# KiCad board panel-16.kicad_pcb (continued)
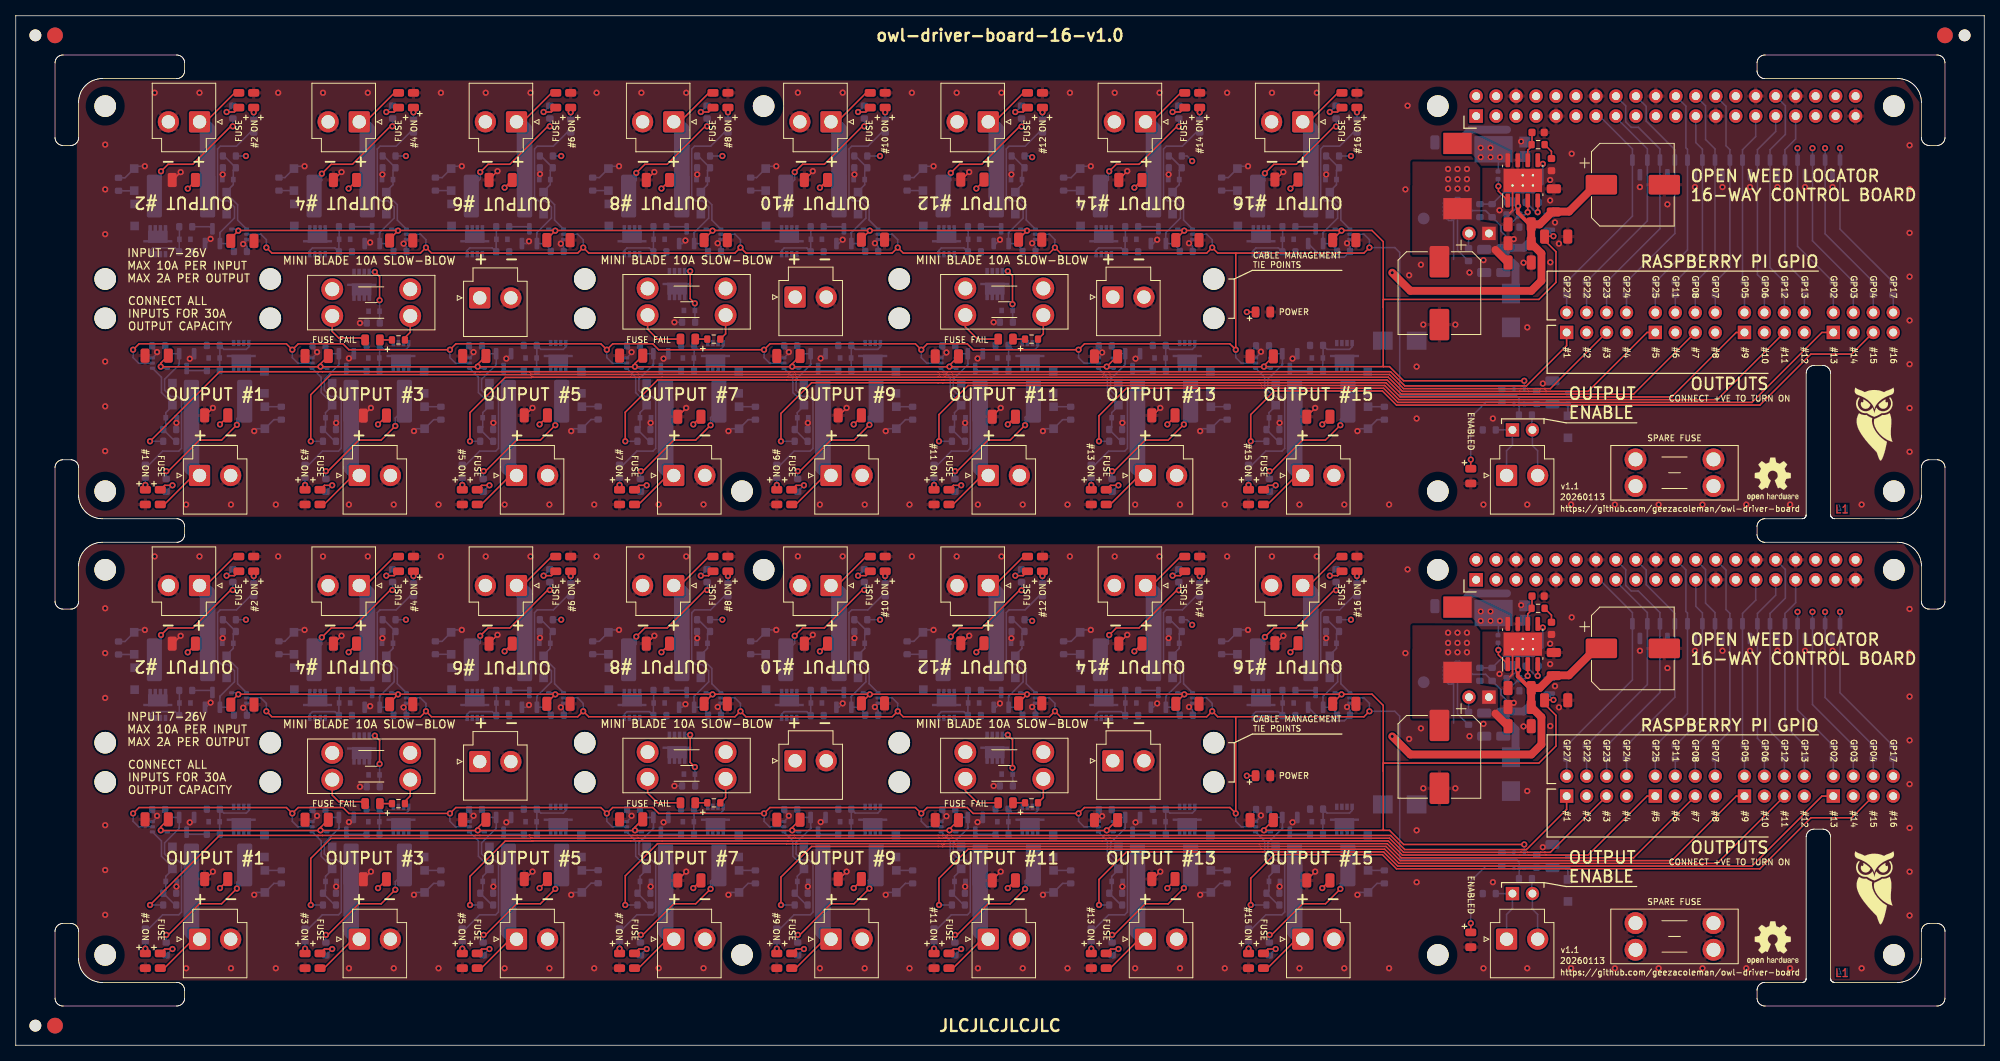
[diagram p0: board, top side]
## Routing (per net, layer and track width the routed paths; a pad name or vN(x,y) marks a point on that pad's centre or on a via; arc(x,y) is an arc through that point) (continued)
Board_1-GND: length 193.6
  Top w0.2: 137.18,28.35 137.18,28.63 137.05,28.75 ; U1.9 190.38,47.25 190.03,46.9 ; 24.1,21.13 v1(25.08,22.1) ; 157.05,28.75 157.18,28.63 157.18,28.35 ; 37.05,28.75 37.18,28.63 37.18,28.35 ; 160.23,51.11 v1(161.23,52.11) ; 16.86,28.35 16.86,28.63 16.74,28.75 ; 104.7,21.13 v1(105.68,22.1) ; 57.05,28.75 57.18,28.63 57.18,28.35 ; 144.6,21.13 v1(145.58,22.1) ; 80.23,51.11 v1(81.23,52.11) ; v1(138.18,29.15) 137.7,29.15 C42#2.2 ; C16.2 101.38,52.18 v1(101.38,52.23) ; 117.05,28.75 117.18,28.63 117.18,28.35 ; 124.28,21.1 v1(125.28,22.1) ; 164.28,21.1 v1(165.28,22.1) ; 140.38,51.23 v1(141.38,52.23) ; C4#2.2 v1(45.18,22.1) ; 97.18,28.35 97.18,28.63 97.05,28.75 ; 77.05,28.75 77.18,28.63 77.18,28.35 ; 120.28,51.11 v1(121.28,52.11) ; 84.28,21.1 v1(85.28,22.1) ; 19.98,51.1 v1(20.98,52.1) ; 40.44,51.11 v1(41.44,52.11) ; 64.75,21.13 v1(65.73,22.1) ; 60.28,51.23 v1(61.28,52.23)
  Bottom w0.2: 63,28.98 v1(62.4,28.37) ; 26.32,51.2 v1(26.32,51.8) 26.32,52.63 ; 24.19,43.01 v1(24.78,43.6) ; v1(30.34,19.15) 30.64,19.45 D10.2 32.84,20.6 R154#2.1 ; D124.2 154.24,51.4 R169.1 ; v1(105.18,43.5) 104.69,43.01 Q20#2.2 ; R155.1 13.9,51.38 D11#2.2 ; v1(16.42,52.85) 15.37,52.85 ; v1(56.74,52.85) 55.69,52.85 ; R83.1 89.7,42.63 v1(89.28,43.05) 89.32,43.05 89.82,43.55 ; U5#2.3 17.98,29.04 v1(17.98,29.2) 17.35,29.83 R11#2.1 ; 169.82,43.55 169.33,43.06 v1(169.33,43.05) 169.33,42.99 169.7,42.62 R139#2.1 168.98,41.27 166.12,41.27 Q32.2 ; 109.82,43.55 109.32,43.05 v1(109.28,43.05) 109.7,42.63 R97.1 ; R167#2.1 134.24,51.4 D110.2 ; 120.68,19.4 120.68,20.13 v1(120.75,20.2) 120.68,20.27 120.68,20.73 ; R14#2.1 37.75,29.78 v1(38.33,29.2) 38.33,29.08 U7#2.3 ; 182.88,46.48 182.88,41 ; 166.68,51.24 v1(166.68,51.8) 166.68,52.63 ; 66.68,51.24 66.68,52.63 ; 20.44,19.38 v1(20.44,20.2) 20.44,20.8 ; 126.64,52.63 v1(126.64,51.8) 126.64,51.2 ; U13#2.3 78.33,29.08 v1(78.33,29.2) 77.75,29.78 R76#2.1 ; R156.1 53.15,20.6 D18#2.2 50.95,19.45 v1(50.65,19.15) ; U19#2.3 138.18,28.93 v1(138.18,29.15) 137.75,29.58 R118.1 ; v1(110.65,19.15) 110.95,19.45 D75.2 113.15,20.6 R162#2.1 ; 149.82,43.55 149.32,43.05 v1(149.23,43.05) 149.27,43.05 149.7,42.62 R125#2.1 ; 40.75,19.38 v1(40.75,20.2) 40.75,20.8 ; v1(36.74,52.85) 35.69,52.85 ; R164#2.1 133.15,20.6 D89#2.2 130.95,19.45 v1(130.65,19.15) ; 143,28.94 v1(142.43,28.36) ; R111#2.1 129.7,42.62 129.28,43.04 v1(129.28,43.05) 129.32,43.05 129.82,43.55 ; R166#2.1 153.15,20.6 D103#2.2 150.95,19.45 v1(150.65,19.15) ; R160#2.1 93.15,20.6 D61.2 90.95,19.45 v1(90.65,19.15) ; R157.1 34.24,51.4 D23.2 ; U3#2.2 182.9,46.2 182.65,45.95 182.25,45.95 181.98,46.23 U3#2.4 ; Q12#2.2 64.99,43.01 v1(65.28,43.3) ; R51.1 57.65,29.78 v1(58.23,29.2) 58.23,28.98 U11#2.3 ; 146.64,52.63 v1(146.64,51.8) 146.64,51.2 ; D68.2 74.24,51.4 R161#2.1 ; R132#2.1 157.75,29.88 v1(158.38,29.25) 158.38,29.13 U21.3 ; R25#2.1 v1(83.78,33) ; 42.97,28.99 v1(42.38,28.4) ; v1(170.65,19.15) 170.95,19.45 D117.2 173.15,20.6 R168#2.1 ; U17#2.3 118.38,29.13 v1(118.38,29.15) 117.85,29.68 R104.1 ; 69.82,43.55 69.33,43.06 v1(69.33,43) 69.7,42.63 R69#2.1 ; R90.1 97.75,29.78 v1(98.33,29.2) 98.33,29.08 U15#2.3 ; 46.64,52.63 v1(46.64,51.8) 46.64,51.2 ; 102.97,28.99 v1(102.38,28.4) ; v1(96.74,52.85) 95.69,52.85 ; 160.75,19.38 v1(160.75,20.2) 160.75,20.8 ; 22.69,28.91 v1(22.14,28.36) ; R158#2.1 73.18,20.63 D28#2.2 70.95,19.45 v1(70.65,19.15) ; R159.1 54.24,51.4 D54#2.2 ; Q24#2.2 124.69,43.01 v1(125.18,43.5) ; 80.75,19.38 v1(80.75,20.2) 80.75,20.8 ; U3#2.8 U3#2.9 182.9,48.6 183.15,48.85 183.63,48.85 185.28,47.2 186.95,47.2 R45.1 188.9,45.25 188.9,44.62 189.95,43.57 v1(190.53,43.57) ; v1(156.74,52.85) 155.69,52.85 ; R8.1 v1(43.78,32.9) ; 163,28.98 v1(162.4,28.37) ; 86.68,51.24 v1(86.68,51.8) 86.68,52.63 ; R163.1 94.24,51.4 D82.2 ; R12.1 29.4,42.63 29.09,42.95 v1(28.93,42.95) 28.93,42.98 29.5,43.55 ; 122.94,28.99 v1(122.34,28.39) ; R27#2.1 v1(124.38,33) ; 60.75,19.38 v1(60.75,20.2) 60.75,20.8 ; v1(85.18,43.4) 84.79,43.01 Q16.2 ; Q28.2 144.69,43.01 v1(145.18,43.5) ; Q14.2 82.41,28.39 82.41,28.38 v1(82.4,28.37) ; 100.75,19.38 v1(100.75,20.2) 100.75,20.8 ; 49.82,43.55 49.33,43.06 v1(49.33,43) 49.33,42.99 49.7,42.62 R19.1 ; 140.75,19.38 v1(140.75,20.2) 140.75,20.8 ; 106.68,52.63 v1(106.68,51.8) 106.68,51.24 ; D96.2 114.24,51.4 R165#2.1 ; v1(76.74,52.85) 75.69,52.85 ; v1(116.74,52.85) 115.69,52.85 ; v1(136.74,52.85) 135.69,52.85
  Bottom w0.5: Q8.2 44.94,43.01 v1(45.08,43.15)
  Bottom w1: 189.68,57.5 185.05,57.5 184.88,57.33 184.88,57.3 C10#2.2
  vias: v1(11.38,55.6) v1(11.38,49.9) v1(11.38,44.2) v1(11.38,28) v1(11.38,22.3) v1(11.38,16.6) v1(17.67,62.2) v1(21.68,9.8) v1(23.37,62.2) v1(27.38,9.8) v1(33.08,9.8) v1(33.38,62.2) v1(39.08,62.2) v1(42.38,9.8) v1(44.78,62.2) v1(48.08,9.8) v1(53.78,9.8) v1(54.08,62.2) v1(59.78,62.2) v1(62.18,9.8) v1(65.48,62.2) v1(66.68,51.85) v1(67.88,9.8) v1(73.58,9.8) v1(73.88,62.2) v1(79.58,62.2) v1(81.78,9.81) v1(85.28,62.2) v1(87.48,9.81) v1(99.48,62.21) v1(102.28,9.8) v1(105.18,62.21) v1(107.98,9.8) v1(113.68,9.8) v1(113.98,62.2) v1(119.68,62.2) v1(122.38,9.8) v1(125.38,62.2) v1(128.08,9.8) v1(133.78,9.8) v1(134.08,62.2) v1(139.78,62.2) v1(142.38,9.8) v1(145.48,62.2) v1(148.08,9.8) v1(153.78,9.8) v1(154.08,62.2) v1(159.78,62.2) v1(163.28,9.8) v1(165.48,62.2) v1(168.98,9.8) v1(174.68,9.8) v1(176.75,49.9) v1(177.03,60.55) v1(177.23,38.98) v1(178.18,27.35) v1(178.18,20.75) v1(178.73,40.33) v1(179.03,32.7) v1(183.1,32.7) v1(184.9,39.33) v1(186.68,40.9) v1(186.68,9.8) v1(187.88,20.75) v1(188.72,47.25) v1(191.48,56) v1(191.78,40.58) v1(192.25,32.35) v1(192.25,9.8) v1(194.23,25.2) v1(195.16,51.1) v1(195.16,48.5) v1(195.18,40.63) v1(195.78,45.7) v1(196.28,43) v1(197.82,9.8) v1(197.9,54.45) v1(203.39,9.8) v1(206.58,50.2) v1(208.96,9.8) v1(210.08,48) v1(213.58,50.2) v1(214.54,9.8) v1(217.08,50.2) v1(220.11,9.8) v1(220.58,50.2) v1(224.08,50.2) v1(225.68,9.8) v1(227.58,50.2) v1(231.08,50.2) v1(234.78,9.8) v1(240.88,55.51) v1(240.88,49.94) v1(240.88,44.37) v1(240.88,38.8) v1(240.88,33.23) v1(240.88,27.66) v1(240.88,22.09) v1(240.88,16.51)
Board_1-MOSFET1: length 190.1
  Top w0.2: v1(17.08,17.85) 25.93,26.7 38.49,26.7 38.49,26.7 39.03,26.7 58.49,26.7 58.49,26.7 59.03,26.7 65.34,26.7 65.34,26.7 65.51,26.7 78.49,26.7 78.49,26.7 79.03,26.7 79.03,26.7 98.49,26.7 98.49,26.7 99.03,26.7 99.03,26.7 117.33,26.7 117.91,26.7 118.49,26.7 118.49,26.7 119.03,26.7 119.03,26.7 138.49,26.7 138.49,26.7 139.03,26.7 139.03,26.7 158.49,26.7 174.87,26.7 176.67,24.9 191.6,24.9 191.6,24.9 192.14,24.9 197.26,30.02 J6#2.1
  Bottom w0.2: v1(17.08,17.85) R9#2.2
Board_1-MOSFET2: length 184
  In1.Cu w0.2: v1(29.28,54.15) 31.28,56.15 152.5,56.15 178.5,30.15 198.25,30.15 J6#2.3
  Bottom w0.2: v1(29.28,54.15) R10.2
Board_1-MOSFET3: length 177.1
  Top w0.2: v1(37.53,17.85) 37.53,23.78 40.07,26.33 65.46,26.33 65.49,26.35 78.34,26.35 78.35,26.35 79.18,26.35 79.18,26.35 98.34,26.35 98.35,26.35 99.18,26.35 99.18,26.35 118.35,26.35 118.35,26.35 119.18,26.35 119.18,26.35 138.35,26.35 138.35,26.35 139.18,26.35 139.18,26.35 174.72,26.35 176.52,24.55 191.45,24.55 191.45,24.55 192.28,24.55 192.29,24.55 193.96,24.55 193.96,24.55 194.5,24.55 194.5,24.55 195.19,24.55 J6#2.5
  Bottom w0.2: v1(37.53,17.85) R13#2.2
Board_1-MOSFET4: length 168.8
  In1.Cu w0.2: v1(49.63,54.15) 51.23,55.75 152.41,55.75 178.36,29.8 202.98,29.8 J6#2.7
  Bottom w0.2: v1(49.63,54.15) R18.2
Board_1-MOSFET5: length 161.4
  Top w0.2: v1(57.78,17.85) 57.78,21.5 62.25,25.97 65.61,25.97 65.63,26 65.8,26 78.2,26 78.2,26 79.32,26 79.32,26 82.23,26 98.2,26 98.2,26 99.32,26 99.32,26 118.2,26 118.2,26 119.32,26 119.32,26 138.2,26 138.2,26 139.32,26 174.58,26 176.37,24.2 191.31,24.2 193.81,24.2 193.81,24.2 194.64,24.2 194.65,24.2 199.99,24.2 207.49,31.7 J25#2.1
  Bottom w0.2: v1(57.78,17.85) R50#2.2
Board_1-MOSFET6: length 155.3
  In1.Cu w0.2: v1(69.38,54.15) 69.38,54.75 70.03,55.4 152.26,55.4 178.21,29.45 208.83,29.45 J25#2.3
  Bottom w0.2: v1(69.38,54.15) R66#2.2
Board_1-MOSFET7: length 147
  Top w0.2: v1(77.53,17.85) 77.53,21.55 81.63,25.65 98.05,25.65 98.06,25.65 99.47,25.65 99.47,25.65 117.76,25.65 118.05,25.65 119.47,25.65 119.47,25.65 158.15,25.65 158.16,25.65 174.43,25.65 176.23,23.85 205.77,23.85 J25#2.5
  Bottom w0.2: v1(77.53,17.85) R73#2.2
Board_1-MOSFET8: length 140
  In1.Cu w0.2: J25#2.7 213.56,29.1 178.07,29.1 152.12,55.05 92.43,55.05 91.53,54.15 v1(89.88,54.15)
  Bottom w0.2: R80.2 v1(89.88,54.15)
Board_1-MOSFET9: length 133.6
  Top w0.2: J27.1 218.83,31.7 210.63,23.5 176.08,23.5 174.28,25.3 158.3,25.3 158.3,25.3 119.61,25.3 119.61,25.3 117.91,25.3 117.91,25.3 117.33,25.3 101.23,25.3 97.33,21.4 v1(97.33,17.85)
  Bottom w0.2: v1(97.33,17.85) R87.2
Board_1-MOSFET10: length 126.3
  In1.Cu w0.2: v1(109.93,54.15) 110.48,54.7 151.97,54.7 177.92,28.75 219.47,28.75 J27.3
  Bottom w0.2: v1(109.93,54.15) R94.2
Board_1-MOSFET11: length 118.4
  Top w0.2: J27.5 216.41,23.15 175.92,23.15 174.12,24.95 158.45,24.95 158.44,24.95 121.13,24.95 117.43,21.25 v1(117.43,17.85)
  Bottom w0.2: v1(117.43,17.85) R101#2.2
Board_1-MOSFET12: length 111.5
  In1.Cu w0.2: J27.7 224.2,28.4 177.78,28.4 151.83,54.35 129.63,54.35 v1(129.28,54)
  Bottom w0.2: v1(129.28,54) 129.13,54.15 R108#2.2
Board_1-MOSFET13: length 103.8
  Top w0.2: v1(137.78,17.85) 137.78,21.1 141.28,24.6 158.59,24.6 158.59,24.6 173.98,24.6 175.78,22.8 220.83,22.8 229.73,31.7 J29#2.1
  Bottom w0.2: v1(137.78,17.85) R115.2
Board_1-MOSFET14: length 97.7
  In1.Cu w0.2: v1(149.63,53.5) 152.18,53.5 177.63,28.05 230.07,28.05 J29#2.3
  Bottom w0.2: R122#2.2 148.98,54.15 v1(149.63,53.5)
Board_1-MOSFET15: length 90.4
  Top w0.2: v1(157.08,17.85) 157.08,21.25 160.08,24.25 173.83,24.25 175.63,22.45 221.83,22.45 228.33,28.95 233.51,28.95 J29#2.5
  Bottom w0.2: v1(157.08,17.85) R129.2
Board_1-MOSFET16: length 86.2
  In1.Cu w0.2: v1(169.83,54.15) 169.83,50.63 182.6,37.85 238.23,37.85 240.08,36 240.08,32.98 J29#2.7
  Bottom w0.2: v1(169.83,54.15) R136.2
Board_1-Net-(C23-Pad1): length 2.1
  Top w0.2: R44.2 195.33,54.73 C23.1
Board_1-Net-(D1-A): length 1.5
  Top w0.2: R1.1 D1.2
Board_1-Net-(D1-K): length 6.3
  Top w0.2: 44.14,30.78 43.92,31 41.08,31 40.26,31.82 F1.2
Board_1-Net-(D4-A): length 2.8
  Top w0.2: D4#2.2 18.95,12.25 v1(19.94,12.25)
  Bottom w0.2: 19.24,11.55 v1(19.94,12.25)
Board_1-Net-(D5-A): length 2.8
  Top w0.2: v1(26.82,59.75) 27.81,59.75 D5#2.2
  Bottom w0.2: 27.52,60.45 v1(26.82,59.75)
Board_1-Net-(D6-A): length 7.4
  Top w0.2: v1(46.28,35.8) 46.28,38.8 v1(45.68,39.4)
  Bottom w0.2: v1(45.68,39.4) 45.67,39.41 Q1.1 ; v1(46.28,35.8) D6#2.2 46.28,32.93
Board_1-Net-(D12-A): length 11.2
  Bottom w0.2: 20.26,17.85 R53.2 19.09,19.68 D45.1 19.09,21.5 19.94,22.35 ; U5#2.1 18.54,26 18.54,24.05 19.94,22.65
Board_1-Net-(D13-A): length 11.2
  Bottom w0.2: 26.5,54.15 R54.2 27.67,52.33 D46#2.1 27.67,50.5 26.82,49.65 ; 26.82,49.35 28.22,47.95 28.22,46 U6#2.1
Board_1-Net-(D14-A): length 11.2
  Bottom w0.2: 40.58,17.85 R56#2.2 39.4,19.68 D47#2.1 39.4,21.5 40.25,22.35 ; 40.25,22.65 38.85,24.05 38.85,26 U7#2.1
Board_1-Net-(D19-A): length 2.8
  Top w0.2: v1(40.25,12.25) 39.26,12.25 D19#2.2
  Bottom w0.2: 39.55,11.55 v1(40.25,12.25)
Board_1-Net-(D20-A): length 11.2
  Bottom w0.2: 47.14,49.35 48.54,47.95 48.54,46 U10.1 ; 46.81,54.15 R57.2 47.99,52.33 D48.1 47.99,50.5 47.14,49.65
Board_1-Net-(D24-A): length 2.8
  Top w0.2: v1(47.14,59.75) 48.12,59.75 D24.2
  Bottom w0.2: 47.84,60.45 v1(47.14,59.75)
Board_1-Net-(D25-A): length 11.2
  Bottom w0.2: 60.25,22.65 58.85,24.05 58.85,26 U11#2.1 ; 60.58,17.85 R62#2.2 59.4,19.68 D49#2.1 59.4,21.5 60.25,22.35
Board_1-Net-(D29-A): length 0.9
  Bottom w0.2: 16.49,13.23 v1(16.49,12.3)
Board_1-Net-(D30-A): length 0.9
  Bottom w0.2: R59.1 v1(30.27,59.7)
Board_1-Net-(D31-A): length 0.9
  Bottom w0.2: 36.8,13.23 v1(36.8,12.3)
Board_1-Net-(D32-A): length 1.5
  Top w0.2: R24#2.1 D32.2
Board_1-Net-(D32-K): length 6.5
  Top w0.2: F18#2.2 80.37,32.11 81.63,30.85 D32.1
Board_1-Net-(D33-A): length 7.4
  Top w0.2: v1(86.38,35.4) 85.78,36 v1(85.78,39.5)
  Bottom w0.2: v1(86.38,35.4) 86.38,34.51 ; Q34#2.1 85.77,39.51 v1(85.78,39.5) ; D33.2 86.39,33.03
Board_1-Net-(D37-A): length 0.9
  Bottom w0.2: R61#2.1 v1(50.59,59.7)
Board_1-Net-(D38-A): length 2.3
  Top w0.2: v1(156.58,34.3) D38#2.2
  Bottom w0.2: v1(156.58,34.3) R23#2.1
Board_1-Net-(D41-A): length 11.3
  Top w0.2: D41.2 v1(185.07,15.53)
  Bottom w0.2: v1(185.07,15.53) 185.07,20.9 186.99,22.83 189.02,22.83
Board_1-Net-(D42-A): length 0.9
  Bottom w0.2: 56.8,13.23 v1(56.8,12.3)
Board_1-Net-(D43-A): length 2.8
  Top w0.2: D43.2 59.26,12.25 v1(60.25,12.25)
  Bottom w0.2: 59.55,11.55 v1(60.25,12.25)
Board_1-Net-(D44-A): length 11.2
  Bottom w0.2: 67.14,49.35 68.54,47.95 68.54,46 U12#2.1 ; 66.81,54.15 R67#2.2 67.99,52.33 D50#2.1 67.99,50.5 67.14,49.65
Board_1-Net-(D51-A): length 0.9
  Bottom w0.2: R68.1 v1(70.59,59.7)
Board_1-Net-(D55-A): length 2.8
  Top w0.2: v1(67.14,59.75) 68.12,59.75 D55.2
  Bottom w0.2: 67.84,60.45 v1(67.14,59.75)
Board_1-Net-(D56-A): length 11.2
  Bottom w0.2: 80.25,22.65 78.85,24.05 78.85,26 U13#2.1 ; 80.25,22.35 79.4,21.5 D57.1 79.4,19.68 R74#2.2 80.58,17.85
Board_1-Net-(D58-A): length 0.9
  Bottom w0.2: 76.8,13.23 v1(76.8,12.3)
Board_1-Net-(D62-A): length 2.8
  Top w0.2: v1(80.25,12.25) 79.26,12.25 D62.2
  Bottom w0.2: 79.55,11.55 v1(80.25,12.25)
Board_1-Net-(D63-A): length 11.2
  Bottom w0.2: 86.81,54.15 R81.2 87.99,52.33 D64.1 87.99,50.5 87.14,49.65 ; U14#2.1 88.54,46 88.54,47.95 87.14,49.35
Board_1-Net-(D65-A): length 0.9
  Bottom w0.2: R82#2.1 v1(90.59,59.7)
Board_1-Net-(D69-A): length 2.8
  Top w0.2: v1(87.14,59.75) 88.12,59.75 D69#2.2
  Bottom w0.2: 87.84,60.45 v1(87.14,59.75)
Board_1-Net-(D70-A): length 11.2
  Bottom w0.2: U15#2.1 98.85,26 98.85,24.05 100.25,22.65 ; 100.25,22.35 99.4,21.5 D71.1 99.4,19.68 R88#2.2 100.58,17.85
Board_1-Net-(D72-A): length 0.9
  Bottom w0.2: 96.8,13.23 v1(96.8,12.3)
Board_1-Net-(D76-A): length 2.8
  Top w0.2: D76.2 99.26,12.25 v1(100.25,12.25)
  Bottom w0.2: 99.55,11.55 v1(100.25,12.25)
Board_1-Net-(D77-A): length 11.2
  Bottom w0.2: 107.14,49.35 108.54,47.95 108.54,46 U16#2.1 ; 107.14,49.65 107.99,50.5 D78#2.1 107.99,52.33 R95.2 106.81,54.15
Board_1-Net-(D79-A): length 0.9
  Bottom w0.2: R96#2.1 v1(110.59,59.7)
Board_1-Net-(D83-A): length 2.8
  Top w0.2: D83.2 108.12,59.75 v1(107.14,59.75)
  Bottom w0.2: 107.84,60.45 v1(107.14,59.75)
Board_1-Net-(D84-A): length 11.2
  Bottom w0.2: 120.25,22.65 118.85,24.05 118.85,26 U17#2.1 ; 120.58,17.85 R102#2.2 119.4,19.68 D85#2.1 119.4,21.5 120.25,22.35
Board_1-Net-(D86-A): length 0.9
  Bottom w0.2: 116.8,13.23 v1(116.8,12.3)
Board_1-Net-(D90-A): length 2.8
  Top w0.2: v1(120.25,12.25) 119.26,12.25 D90.2
  Bottom w0.2: 119.55,11.55 v1(120.25,12.25)
Board_1-Net-(D91-A): length 11.2
  Bottom w0.2: U18.1 128.54,46 128.54,47.95 127.14,49.35 ; 126.81,54.15 R109.2 127.99,52.33 D92#2.1 127.99,50.5 127.14,49.65
Board_1-Net-(D93-A): length 0.9
  Bottom w0.2: R110#2.1 v1(130.59,59.7)
Board_1-Net-(D97-A): length 2.8
  Top w0.2: D97.2 128.12,59.75 v1(127.14,59.75)
  Bottom w0.2: 127.84,60.45 v1(127.14,59.75)
Board_1-Net-(D98-A): length 11.2
  Bottom w0.2: 140.25,22.35 139.4,21.5 D99.1 139.4,19.68 R116#2.2 140.58,17.85 ; 140.25,22.65 138.85,24.05 138.85,26 U19#2.1
Board_1-Net-(D100-A): length 0.9
  Bottom w0.2: 136.8,13.23 v1(136.8,12.3)
Board_1-Net-(D104-A): length 2.8
  Top w0.2: D104.2 139.26,12.25 v1(140.25,12.25)
  Bottom w0.2: 139.55,11.55 v1(140.25,12.25)
Board_1-Net-(D105-A): length 11.2
  Bottom w0.2: U20#2.1 148.54,46 148.54,47.95 147.14,49.35 ; 147.14,49.65 147.99,50.5 D106.1 147.99,52.33 R123.2 146.81,54.15
Board_1-Net-(D107-A): length 0.9
  Bottom w0.2: R124#2.1 v1(150.59,59.7)
Board_1-Net-(D111-A): length 2.8
  Top w0.2: v1(147.14,59.75) 148.12,59.75 D111.2
  Bottom w0.2: 147.84,60.45 v1(147.14,59.75)
Board_1-Net-(D112-A): length 11.2
  Bottom w0.2: 160.25,22.35 159.4,21.5 D113.1 159.4,19.68 R130.2 160.58,17.85 ; 160.25,22.65 158.85,24.05 158.85,26 U21.1
Board_1-Net-(D114-A): length 0.9
  Bottom w0.2: 156.8,13.23 v1(156.8,12.3)
Board_1-Net-(D118-A): length 2.8
  Top w0.2: D118#2.2 159.26,12.25 v1(160.25,12.25)
  Bottom w0.2: 159.55,11.55 v1(160.25,12.25)
Board_1-Net-(D119-A): length 11.2
  Bottom w0.2: 167.14,49.35 168.54,47.95 168.54,46 U22#2.1 ; 167.14,49.65 167.99,50.5 D120#2.1 167.99,52.33 R137.2 166.81,54.15
Board_1-Net-(D121-A): length 0.9
  Bottom w0.2: R138#2.1 v1(170.59,59.7)
Board_1-Net-(D125-A): length 2.8
  Top w0.2: v1(167.14,59.75) 168.12,59.75 D125#2.2
  Bottom w0.2: 167.84,60.45 v1(167.14,59.75)
Board_1-Net-(D132-A): length 1.5
  Top w0.2: R26#2.1 D132.2
Board_1-Net-(D132-K): length 6.3
  Top w0.2: D132.1 122.33,30.85 120.78,32.4 F19#2.2
Board_1-Net-(D133-A): length 7.4
  Top w0.2: v1(126.18,39.5) 126.78,38.9 v1(126.78,35.3)
  Bottom w0.2: D133#2.2 126.8,33.03 ; v1(126.18,39.5) 126.17,39.51 Q35.1 ; v1(126.78,35.3) 126.78,34.52
Board_1-Net-(J2-CE0): length 25.7
  Bottom w0.2: J2#2.24 214.93,60.53 214.93,56.25 216.13,55.05 D127#2.1 216.13,40.6 R33#2.1
Board_1-Net-(J2-CE1): length 25.2
  Bottom w0.2: R32#2.1 218.03,40 D127#2.2 218.03,54.95 217.53,55.45 217.53,60.47 J2#2.26
Board_1-Net-(J2-GP5): length 21.6
  Bottom w0.2: 219.63,38.36 D131#2.1 219.63,54.95 221.31,56.63 J2#2.29
Board_1-Net-(J2-GP6): length 22.5
  Bottom w0.2: J2#2.31 223.85,57.27 221.53,54.95 D131#2.2 221.53,39.06 R145.1
Board_1-Net-(J2-GP12): length 25.7
  Bottom w0.2: R144.1 223.13,39.96 D130.1 223.13,54.95 225.08,56.9 225.08,60.54 J2#2.32
Board_1-Net-(J2-GP13): length 22.7
  Bottom w0.2: R143#2.1 225.03,40.66 D130.2 225.03,54.95 226.39,56.31 J2#2.33
Board_1-Net-(J2-GP22): length 25.8
  Bottom w0.2: R29#2.1 207.53,45.9 D34.2 207.53,55.05 203.53,59.05
Board_1-Net-(J2-GP23): length 29.3
  Bottom w0.2: J2#2.16 204.78,60.52 204.78,58.5 205.48,57.8 206.38,57.8 209.13,55.05 D35.1 209.13,44.9 R30#2.1
Board_1-Net-(J2-GP24): length 28.3
  Bottom w0.2: J2#2.18 207.38,60.46 207.38,58.6 211.03,54.95 D35.2 211.03,44.3 R31#2.1
Board_1-Net-(J2-GP25): length 25.9
  Bottom w0.2: J2#2.22 212.43,60.49 212.43,55.2 212.63,55 D126.1 212.63,42.2 R39.1
Board_1-Net-(J2-GP27): length 26.3
  Bottom w0.2: 201.45,59.23 205.63,55.05 D34.1 205.63,46.5 R38.1
Board_1-Net-(J2-SCLK): length 22.9
  Bottom w0.2: R34.1 214.53,41.6 D126.2 214.53,55.02 213.69,55.86 J2#2.23
Board_1-Net-(J3-Pin_1): length 3
  Top w0.2: F1.1 50.18,31.73 49.5,31.05
Board_1-Net-(J10-Pin_1): length 8.2
  Bottom w0.2: J10.1 189.62,16.65 190.37,17.4 J11#2.1 R48.2
Board_1-Net-(J10-Pin_2): length 7.9
  Bottom w0.2: J11#2.2 192.91,17.31 193.57,16.65 193.57,13.51 ; R49.1 192.84,19.37
Board_1-Net-(J24-Pin_1): length 3.3
  Top w0.2: F18#2.1 90.29,31.53 R24#2.2
Board_1-Net-(J26-Pin_1): length 3.3
  Top w0.2: R26#2.2 130.7,31.53 F19#2.1
Board_1-Net-(Q4-D): length 2.7
  Bottom w0.2: Q4.3 22,26.85 R6.1
Board_1-Net-(Q4-G): length 22.7
  Bottom w0.2: 19,29.81 19.82,28.99 ; 19.82,28.99 U5#2.4 ; 19.82,28.99 Q4.1 ; 16.51,14.85 16.94,14.85 18.69,16.6 20.74,16.6 21.09,16.95 21.09,23.05 20.59,23.55 19.74,23.55 18.94,24.35 18.94,25.75 20.8,27.61 20.8,27.75 ; 20.8,28.98 20.8,27.75 ; 20.8,27.75 20.8,27.59
Board_1-Net-(Q5-D): length 2.7
  Bottom w0.2: Q5.3 24.76,45.15 R7.1
Board_1-Net-(Q5-G): length 22.7
  Bottom w0.2: 30.25,57.15 29.82,57.15 28.07,55.4 26.02,55.4 25.67,55.05 25.67,48.95 26.17,48.45 27.02,48.45 27.82,47.65 27.82,46.25 25.96,44.39 25.96,44.25 ; 25.96,44.25 25.96,44.41 ; 25.96,44.25 25.96,43.02 ; 27.75,42.19 26.93,43.01 ; 26.93,43.01 U6#2.4 ; 26.93,43.01 Q5.1
Board_1-Net-(Q6-D): length 2.7
  Bottom w0.2: Q6#2.3 42.31,26.85 R16.1
Board_1-Net-(Q6-G): length 22.6
  Bottom w0.2: U7#2.4 40.14,28.99 ; 40.14,28.99 Q6#2.1 ; 40.14,28.99 39.4,29.72 ; 36.83,14.85 37.25,14.85 39,16.6 41.05,16.6 41.4,16.95 41.4,23.05 40.9,23.55 40.05,23.55 39.25,24.35 39.25,25.75 41.11,27.61 41.11,27.75 ; 41.11,27.75 41.11,27.59 ; 41.11,27.75 41.11,28.98
Board_1-Net-(Q8-D): length 2.7
  Bottom w0.2: R21#2.1 45.07,45.15 Q8.3
Board_1-Net-(Q8-G): length 22.7
  Bottom w0.2: U10.4 47.25,43.01 ; 47.25,43.01 Q8.1 ; 47.25,43.01 48.05,42.21 ; 46.27,44.25 46.27,44.41 ; 46.27,44.25 46.27,44.39 48.14,46.25 48.14,47.65 47.34,48.45 46.49,48.45 45.99,48.95 45.99,55.05 46.34,55.4 48.39,55.4 50.14,57.15 50.56,57.15 ; 46.27,44.25 46.27,43.02
Board_1-Net-(Q10-D): length 2.7
  Bottom w0.2: R64.1 62.31,26.85 Q10.3
Board_1-Net-(Q10-G): length 22.7
  Bottom w0.2: 59.3,29.82 60.14,28.99 ; 60.14,28.99 U11#2.4 ; 60.14,28.99 Q10.1 ; 61.11,27.75 61.11,27.61 59.25,25.75 59.25,24.35 60.05,23.55 60.9,23.55 61.4,23.05 61.4,16.95 61.05,16.6 59,16.6 57.25,14.85 56.83,14.85 ; 61.11,27.75 61.11,28.98 ; 61.11,27.75 61.11,27.59
Board_1-Net-(Q12-D): length 2.7
  Bottom w0.2: Q12#2.3 65.07,45.15 R71.1
Board_1-Net-(Q12-G): length 22.7
  Bottom w0.2: 66.27,44.25 66.27,44.41 ; 66.27,44.25 66.27,44.39 68.14,46.25 68.14,47.65 67.34,48.45 66.49,48.45 65.99,48.95 65.99,55.05 66.34,55.4 68.39,55.4 70.14,57.15 70.56,57.15 ; 66.27,44.25 66.27,43.02 ; 67.25,43.01 Q12#2.1 ; 67.25,43.01 68.05,42.21 ; 67.25,43.01 U12#2.4
Board_1-Net-(Q14-D): length 2.7
  Bottom w0.2: R78.1 82.31,26.85 Q14.3
Board_1-Net-(Q14-G): length 22.6
  Bottom w0.2: 79.4,29.72 80.14,28.99 ; 80.14,28.99 U13#2.4 ; 80.14,28.99 Q14.1 ; 76.83,14.85 77.25,14.85 79,16.6 81.05,16.6 81.4,16.95 81.4,23.05 80.9,23.55 80.05,23.55 79.25,24.35 79.25,25.75 81.11,27.61 81.11,27.75 ; 81.11,27.75 81.11,28.98 ; 81.11,27.75 81.11,27.59
Board_1-Net-(Q16-D): length 2.7
  Bottom w0.2: Q16.3 85.07,45.15 R85#2.1
Board_1-Net-(Q16-G): length 22.7
  Bottom w0.2: 86.27,43.02 86.27,44.25 ; 86.27,44.25 86.27,44.39 88.14,46.25 88.14,47.65 87.34,48.45 86.49,48.45 85.99,48.95 85.99,55.05 86.34,55.4 88.39,55.4 90.14,57.15 90.56,57.15 ; 86.27,44.25 86.27,44.41 ; U14#2.4 87.25,43.01 ; 87.25,43.01 Q16.1 ; 87.25,43.01 88.05,42.21
Board_1-Net-(Q18-D): length 2.7
  Bottom w0.2: R92#2.1 102.31,26.85 Q18#2.3
Board_1-Net-(Q18-G): length 22.6
  Bottom w0.2: 99.4,29.72 100.14,28.99 ; 100.14,28.99 Q18#2.1 ; 100.14,28.99 U15#2.4 ; 101.11,28.98 101.11,27.75 ; 101.11,27.75 101.11,27.61 99.25,25.75 99.25,24.35 100.05,23.55 100.9,23.55 101.4,23.05 101.4,16.95 101.05,16.6 99,16.6 97.25,14.85 96.83,14.85 ; 101.11,27.75 101.11,27.59
Board_1-Net-(Q20-D): length 2.7
  Bottom w0.2: Q20#2.3 105.07,45.15 R99.1
Board_1-Net-(Q20-G): length 22.7
  Bottom w0.2: U16#2.4 107.25,43.01 ; 107.25,43.01 108.05,42.21 ; 107.25,43.01 Q20#2.1 ; 106.27,44.25 106.27,44.41 ; 106.27,44.25 106.27,44.39 108.14,46.25 108.14,47.65 107.34,48.45 106.49,48.45 105.99,48.95 105.99,55.05 106.34,55.4 108.39,55.4 110.14,57.15 110.56,57.15 ; 106.27,44.25 106.27,43.02
Board_1-Net-(Q22-D): length 2.7
  Bottom w0.2: R106.1 122.31,26.85 Q22.3
Board_1-Net-(Q22-G): length 22.8
  Bottom w0.2: 116.83,14.85 117.25,14.85 119,16.6 121.05,16.6 121.4,16.95 121.4,23.05 120.9,23.55 120.05,23.55 119.25,24.35 119.25,25.75 121.11,27.61 121.11,27.75 ; 120.14,28.99 Q22.1 ; 120.14,28.99 119.5,29.62 R104.2 ; 120.14,28.99 U17#2.4 ; 121.11,27.75 121.11,28.98 ; 121.11,27.75 121.11,27.59
Board_1-Net-(Q24-D): length 2.7
  Bottom w0.2: Q24#2.3 125.07,45.15 R113.1
Board_1-Net-(Q24-G): length 22.7
  Bottom w0.2: 126.27,43.02 126.27,44.25 ; 126.27,44.25 126.27,44.41 ; 126.27,44.25 126.27,44.39 128.14,46.25 128.14,47.65 127.34,48.45 126.49,48.45 125.99,48.95 125.99,55.05 126.34,55.4 128.39,55.4 130.14,57.15 130.56,57.15 ; 127.25,43.01 Q24#2.1 ; 127.25,43.01 128.05,42.21 ; 127.25,43.01 U18.4
Board_1-Net-(Q26-D): length 2.7
  Bottom w0.2: Q26.3 142.31,26.85 R120.1
Board_1-Net-(Q26-G): length 22.6
  Bottom w0.2: 136.83,14.85 137.25,14.85 139,16.6 141.05,16.6 141.4,16.95 141.4,23.05 140.9,23.55 140.05,23.55 139.25,24.35 139.25,25.75 141.11,27.61 141.11,27.75 ; 141.11,27.75 141.11,27.59 ; 141.11,27.75 141.11,28.98 ; 140.14,28.99 Q26.1 ; 140.14,28.99 U19#2.4 ; 140.14,28.99 139.4,29.72
Board_1-Net-(Q28-D): length 2.7
  Bottom w0.2: R127#2.1 145.07,45.15 Q28.3
Board_1-Net-(Q28-G): length 22.7
  Bottom w0.2: 146.27,43.02 146.27,44.25 ; 146.27,44.25 146.27,44.39 148.14,46.25 148.14,47.65 147.34,48.45 146.49,48.45 145.99,48.95 145.99,55.05 146.34,55.4 148.39,55.4 150.14,57.15 150.56,57.15 ; 146.27,44.25 146.27,44.41 ; 147.25,43.01 Q28.1 ; 147.25,43.01 U20#2.4 ; 147.25,43.01 148.05,42.21
Board_1-Net-(Q30-D): length 2.7
  Bottom w0.2: R134.1 162.31,26.85 Q30.3
Board_1-Net-(Q30-G): length 22.6
  Bottom w0.2: 159.4,29.72 160.14,28.99 ; 160.14,28.99 Q30.1 ; 160.14,28.99 U21.4 ; 161.11,28.98 161.11,27.75 ; 161.11,27.75 161.11,27.61 159.25,25.75 159.25,24.35 160.05,23.55 160.9,23.55 161.4,23.05 161.4,16.95 161.05,16.6 159,16.6 157.25,14.85 156.83,14.85 ; 161.11,27.75 161.11,27.59
Board_1-Net-(Q32-D): length 2.7
  Bottom w0.2: Q32.3 165.07,45.15 R141.1
Board_1-Net-(Q32-G): length 22.7
  Bottom w0.2: 166.27,44.25 166.27,44.41 ; 166.27,44.25 166.27,44.39 168.14,46.25 168.14,47.65 167.34,48.45 166.49,48.45 165.99,48.95 165.99,55.05 166.34,55.4 168.39,55.4 170.14,57.15 170.56,57.15 ; 166.27,44.25 166.27,43.02 ; 168.05,42.21 167.25,43.01 ; 167.25,43.01 Q32.1 ; 167.25,43.01 U22#2.4
Board_1-Net-(R55-Pad2): length 1.5
  Bottom w0.2: U8.4 189.04,24.5
Board_1-Net-(U3-EN): length 6.3
  Bottom w0.2: 184.78,40.78 183.38,42.18 U3#2.1
Board_1-PI1: length 2.2
  Bottom w0.2: J6#2.2 R38.2
Board_1-PI2: length 2.2
  Bottom w0.2: J6#2.4 199.8,36.44
Board_1-PI3: length 2.2
  Bottom w0.2: J6#2.6 202.34,36.46
Board_1-PI4: length 2.2
  Bottom w0.2: J6#2.8 204.88,36.46
Board_1-PI5: length 2.2
  Bottom w0.2: J25#2.2 208.54,36.46
Board_1-PI6: length 2.2
  Bottom w0.2: J25#2.4 211.08,36.46
Board_1-PI7: length 2.2
  Bottom w0.2: J25#2.6 213.62,36.44
Board_1-PI8: length 2.2
  Bottom w0.2: J25#2.8 R32#2.2
Board_1-PI9: length 2.2
  Bottom w0.2: J27.2 219.88,36.46
Board_1-PI10: length 2.2
  Bottom w0.2: J27.4 222.42,36.44
Board_1-PI11: length 2.2
  Bottom w0.2: J27.6 R144.2
Board_1-PI12: length 2.2
  Bottom w0.2: J27.8 227.5,36.42
Board_1-PI13: length 2.2
  Bottom w0.2: J29#2.2 231.18,36.46
Board_1-PI14: length 2.2
  Bottom w0.2: J29#2.4 233.72,36.44
Board_1-PI15: length 2.2
  Bottom w0.2: J29#2.6 R36.2
Board_1-PI16: length 2.2
  Bottom w0.2: J29#2.8 238.8,36.44
Board_1-VCC: length 67.9
  Top w0.2: 123.15,50.99 v1(122.18,50.01) ; 107.58,21 v1(106.58,20) ; C1#2.1 v1(166.18,20) ; C11#2.1 v1(62.18,50.13) ; 22.85,50.98 v1(21.88,50) ; 147.48,21 v1(146.48,20) ; 83.1,50.99 v1(82.13,50.01) ; v1(102.28,50.13) C16.1 ; 26.98,21 v1(25.98,20) ; 43.32,50.99 v1(42.34,50.01) ; C12.1 v1(142.28,50.13) ; C3.1 v1(126.18,20) ; 163.1,50.99 v1(162.13,50.01) ; 67.63,21 v1(66.63,20) ; 47.08,21 v1(46.08,20) ; C15.1 v1(86.18,20)
  Top w0.5: C6#2.1 192.55,45.45 191.04,46.96 U1.2
  Top w1: 195.5,47.03 195.4,47.03 193.83,45.45 C6#2.1 C18.1 194.05,41.75 194.05,38.28 192.78,37 177.38,37 v1(175.08,39.3) ; C8#2.1 200.98,50.5 197.55,47.08 195.58,47.08 C5#2.1
  Bottom w0.2: v1(191.09,47.77) 189.96,46.65 R41#2.2
  Bottom w0.5: 190.58,48.28 v1(191.09,47.77)

## Copper pours and planes (outline as drawn; the poured copper is in the pictures)
Board_0-+5V on Top, Bottom: 186.28,111.7 186.28,104.85 188.49,104.49 188.54,100.57 177.61,100.57 177.61,109.45 177.65,109.45 177.63,112.45 186.56,112.42
Board_0-/Output chain 1/DRAIN on Bottom: 32.36,83.22 32.36,80.62 29.97,79.22 28.06,79.22 28.06,84.62 27.24,85.42 27.24,87.92 29.96,87.92 30.54,84.75
Board_0-/Output chain 2/DRAIN on Bottom: 14.39,106.78 14.39,109.38 16.79,110.78 18.69,110.78 18.69,105.38 19.52,104.58 19.52,102.08 16.79,102.08 16.22,105.25
Board_0-/Output chain 3/DRAIN on Bottom: 52.68,83.22 52.68,80.62 50.29,79.22 48.38,79.22 48.38,84.62 47.55,85.42 47.55,87.92 50.28,87.92 50.85,84.75
Board_0-/Output chain 4/DRAIN on Bottom: 34.71,106.78 34.71,109.38 37.1,110.78 39.01,110.78 39.01,105.38 39.84,104.58 39.84,102.08 37.11,102.08 36.54,105.25
Board_0-/Output chain 5/DRAIN on Bottom: 72.68,83.22 72.68,80.62 70.29,79.22 68.38,79.22 68.38,84.62 67.55,85.42 67.55,87.92 70.28,87.92 70.85,84.75
Board_0-/Output chain 6/DRAIN on Bottom: 54.71,106.78 54.71,109.38 57.1,110.78 59.01,110.78 59.01,105.38 59.84,104.58 59.84,102.08 57.11,102.08 56.54,105.25
Board_0-/Output chain 7/DRAIN on Bottom: 92.68,83.22 92.68,80.62 90.29,79.22 88.38,79.22 88.38,84.62 87.55,85.42 87.55,87.92 90.28,87.92 90.85,84.75
Board_0-/Output chain 8/DRAIN on Bottom: 74.71,106.78 74.71,109.38 77.1,110.78 79.01,110.78 79.01,105.38 79.84,104.58 79.84,102.08 77.11,102.08 76.54,105.25
Board_0-/Output chain 9/DRAIN on Bottom: 112.68,83.22 112.68,80.62 110.29,79.22 108.38,79.22 108.38,84.62 107.55,85.42 107.55,87.92 110.28,87.92 110.85,84.75
Board_0-/Output chain 10/DRAIN on Bottom: 94.71,106.78 94.71,109.38 97.1,110.78 99.01,110.78 99.01,105.38 99.84,104.58 99.84,102.08 97.11,102.08 96.54,105.25
Board_0-/Output chain 11/DRAIN on Bottom: 132.68,83.22 132.68,80.62 130.29,79.22 128.38,79.22 128.38,84.62 127.55,85.42 127.55,87.92 130.28,87.92 130.85,84.75
Board_0-/Output chain 12/DRAIN on Bottom: 114.71,106.78 114.71,109.38 117.1,110.78 119.01,110.78 119.01,105.38 119.84,104.58 119.84,102.08 117.11,102.08 116.54,105.25
Board_0-/Output chain 13/DRAIN on Bottom: 152.68,83.22 152.68,80.62 150.29,79.22 148.38,79.22 148.38,84.62 147.55,85.42 147.55,87.92 150.28,87.92 150.85,84.75
Board_0-/Output chain 14/DRAIN on Bottom: 134.71,106.78 134.71,109.38 137.1,110.78 139.01,110.78 139.01,105.38 139.84,104.58 139.84,102.08 137.11,102.08 136.54,105.25
Board_0-/Output chain 15/DRAIN on Bottom: 172.68,83.22 172.68,80.62 170.29,79.22 168.38,79.22 168.38,84.62 167.55,85.42 167.55,87.92 170.28,87.92 170.85,84.75
Board_0-/Output chain 16/DRAIN on Bottom: 154.71,106.78 154.71,109.38 157.1,110.78 159.01,110.78 159.01,105.38 159.84,104.58 159.84,102.08 157.11,102.08 156.54,105.25
Board_0-/PI_5V0_P on Bottom: 185.98,104.1 185.98,102.7 183.88,102.7 183.88,106 183.38,106 183.38,106.3 184.68,106.3
Board_0-/SW on Top: 190.08,113.7 190.08,111.9 186.4,111.9 185.26,113.4 181.58,113.4 181.58,116.1 185.18,116.1
Board_0-GND on Top, Bottom, In1.Cu, In2.Cu: 242.13,69.5 239.88,67.25 7.78,67.25 7.78,122.75 240.13,122.75 242.13,120
Board_0-Net-(D1-K) on Bottom: 40.28,97.6 45.28,97 45.28,94.7 40.78,91.5 38.88,92.7 38.88,96.3
Board_0-Net-(D32-K) on Bottom: 80.38,97.63 85.38,97.03 85.38,94.73 80.88,91.53 78.98,92.73 78.98,96.33
Board_0-Net-(D132-K) on Bottom: 120.81,97.64 125.81,97.04 125.81,94.74 121.31,91.54 119.41,92.74 119.41,96.34
Board_0-Net-(J3-Pin_1) on Bottom: 60.37,93.75 50.38,91.4 48.88,92.8 48.88,96.5 50.18,97.6 60.38,96.5
Board_0-Net-(J24-Pin_1) on Bottom: 100.47,93.85 90.48,91.5 88.98,92.9 88.98,96.6 90.28,97.7 100.48,96.6
Board_0-Net-(J26-Pin_1) on Bottom: 140.87,93.95 130.88,91.6 129.38,93 129.38,96.7 130.68,97.8 140.88,96.7
Board_0-PI_5V0 on Bottom: 189.38,119.5 187.74,119.5 184.63,112.62 180.38,112.63 180.42,106.8 182.46,106.82 182.51,100.58 177.66,100.56 177.65,116.13 180.01,118.28 181.91,120.28 184.18,122.78 189.38,122.8
Board_0-VCC on Bottom: 9.88,122.75 175.98,122.7 175.9,78.45 203.18,78.45 203.18,67.2 9.88,67.25
Board_1-+5V on Top, Bottom: 186.28,52.7 186.28,45.85 188.49,45.49 188.54,41.57 177.61,41.57 177.61,50.45 177.65,50.45 177.63,53.45 186.56,53.42
Board_1-/Output chain 1/DRAIN on Bottom: 32.36,24.22 32.36,21.62 29.97,20.22 28.06,20.22 28.06,25.62 27.24,26.42 27.24,28.92 29.96,28.92 30.54,25.75
Board_1-/Output chain 2/DRAIN on Bottom: 14.39,47.78 14.39,50.38 16.79,51.78 18.69,51.78 18.69,46.38 19.52,45.58 19.52,43.08 16.79,43.08 16.22,46.25
Board_1-/Output chain 3/DRAIN on Bottom: 52.68,24.22 52.68,21.62 50.29,20.22 48.38,20.22 48.38,25.62 47.55,26.42 47.55,28.92 50.28,28.92 50.85,25.75
Board_1-/Output chain 4/DRAIN on Bottom: 34.71,47.78 34.71,50.38 37.1,51.78 39.01,51.78 39.01,46.38 39.84,45.58 39.84,43.08 37.11,43.08 36.54,46.25
Board_1-/Output chain 5/DRAIN on Bottom: 72.68,24.22 72.68,21.62 70.29,20.22 68.38,20.22 68.38,25.62 67.55,26.42 67.55,28.92 70.28,28.92 70.85,25.75
Board_1-/Output chain 6/DRAIN on Bottom: 54.71,47.78 54.71,50.38 57.1,51.78 59.01,51.78 59.01,46.38 59.84,45.58 59.84,43.08 57.11,43.08 56.54,46.25
Board_1-/Output chain 7/DRAIN on Bottom: 92.68,24.22 92.68,21.62 90.29,20.22 88.38,20.22 88.38,25.62 87.55,26.42 87.55,28.92 90.28,28.92 90.85,25.75
Board_1-/Output chain 8/DRAIN on Bottom: 74.71,47.78 74.71,50.38 77.1,51.78 79.01,51.78 79.01,46.38 79.84,45.58 79.84,43.08 77.11,43.08 76.54,46.25
Board_1-/Output chain 9/DRAIN on Bottom: 112.68,24.22 112.68,21.62 110.29,20.22 108.38,20.22 108.38,25.62 107.55,26.42 107.55,28.92 110.28,28.92 110.85,25.75
Board_1-/Output chain 10/DRAIN on Bottom: 94.71,47.78 94.71,50.38 97.1,51.78 99.01,51.78 99.01,46.38 99.84,45.58 99.84,43.08 97.11,43.08 96.54,46.25
Board_1-/Output chain 11/DRAIN on Bottom: 132.68,24.22 132.68,21.62 130.29,20.22 128.38,20.22 128.38,25.62 127.55,26.42 127.55,28.92 130.28,28.92 130.85,25.75
Board_1-/Output chain 12/DRAIN on Bottom: 114.71,47.78 114.71,50.38 117.1,51.78 119.01,51.78 119.01,46.38 119.84,45.58 119.84,43.08 117.11,43.08 116.54,46.25
Board_1-/Output chain 13/DRAIN on Bottom: 152.68,24.22 152.68,21.62 150.29,20.22 148.38,20.22 148.38,25.62 147.55,26.42 147.55,28.92 150.28,28.92 150.85,25.75
Board_1-/Output chain 14/DRAIN on Bottom: 134.71,47.78 134.71,50.38 137.1,51.78 139.01,51.78 139.01,46.38 139.84,45.58 139.84,43.08 137.11,43.08 136.54,46.25
Board_1-/Output chain 15/DRAIN on Bottom: 172.68,24.22 172.68,21.62 170.29,20.22 168.38,20.22 168.38,25.62 167.55,26.42 167.55,28.92 170.28,28.92 170.85,25.75
Board_1-/Output chain 16/DRAIN on Bottom: 154.71,47.78 154.71,50.38 157.1,51.78 159.01,51.78 159.01,46.38 159.84,45.58 159.84,43.08 157.11,43.08 156.54,46.25
Board_1-/PI_5V0_P on Bottom: 185.98,45.1 185.98,43.7 183.88,43.7 183.88,47 183.38,47 183.38,47.3 184.68,47.3
Board_1-/SW on Top: 190.08,54.7 190.08,52.9 186.4,52.9 185.26,54.4 181.58,54.4 181.58,57.1 185.18,57.1
Board_1-GND on Top, Bottom, In1.Cu, In2.Cu: 242.13,10.5 239.88,8.25 7.78,8.25 7.78,63.75 240.13,63.75 242.13,61
Board_1-Net-(D1-K) on Bottom: 40.28,38.6 45.28,38 45.28,35.7 40.78,32.5 38.88,33.7 38.88,37.3
Board_1-Net-(D32-K) on Bottom: 80.38,38.63 85.38,38.03 85.38,35.73 80.88,32.53 78.98,33.73 78.98,37.33
Board_1-Net-(D132-K) on Bottom: 120.81,38.64 125.81,38.04 125.81,35.74 121.31,32.54 119.41,33.74 119.41,37.34
Board_1-Net-(J3-Pin_1) on Bottom: 60.37,34.75 50.38,32.4 48.88,33.8 48.88,37.5 50.18,38.6 60.38,37.5
Board_1-Net-(J24-Pin_1) on Bottom: 100.47,34.85 90.48,32.5 88.98,33.9 88.98,37.6 90.28,38.7 100.48,37.6
Board_1-Net-(J26-Pin_1) on Bottom: 140.87,34.95 130.88,32.6 129.38,34 129.38,37.7 130.68,38.8 140.88,37.7
Board_1-PI_5V0 on Bottom: 189.38,60.5 187.74,60.5 184.63,53.62 180.38,53.63 180.42,47.8 182.46,47.82 182.51,41.58 177.66,41.56 177.65,57.13 180.01,59.28 181.91,61.28 184.18,63.78 189.38,63.8
Board_1-VCC on Bottom: 9.88,63.75 175.98,63.7 175.9,19.45 203.18,19.45 203.18,8.2 9.88,8.25

## Text on the board
Bottom: L4
B.Silkscreen: M2.5 | +
User.Comments: V-CUT
Top: L1
F.Silkscreen: FUSE FAIL | CABLE MANAGEMENT / TIE POINTS | POWER | v1.1 | 20260113 | SPARE FUSE | https://github.com/geezacoleman/owl-driver-board | CONNECT +VE TO TURN ON | FUSE | #2 ON | #4 ON | #6 ON | #8 ON | #10 ON | #12 ON | #14 ON | #16 ON | #1 | #2 | #3 | #4 | #5 | #6 | #7 | #8 | #9 | #10 | #11 | #12 | #13 | #14 | #15 | #16 | #1 ON | #3 ON | #5 ON | #7 ON | #9 ON | #11 ON | #13 ON | #15 ON | ENABLED | GP27 | GP22 | GP23 | GP24 | GP25 | GP11 | GP08 | GP07 | GP05 | GP06 | GP12 | GP13 | GP02 | GP03 | GP04 | GP17 | INPUT 7-26V / MAX 10A PER INPUT / MAX 2A PER OUTPUT | CONNECT ALL / INPUTS FOR 30A / OUTPUT CAPACITY | MINI BLADE 10A SLOW-BLOW | + | - | OUTPUT / ENABLE | OPEN WEED LOCATOR / 16-WAY CONTROL BOARD | OUTPUT #1 | OUTPUT #3 | OUTPUT #5 | OUTPUT #7 | OUTPUT #9 | OUTPUT #11 | OUTPUT #13 | OUTPUT #15 | RASPBERRY PI GPIO | OUTPUTS | OUTPUT #2 | OUTPUT #4 | OUTPUT #6 | OUTPUT #8 | OUTPUT #10 | OUTPUT #12 | OUTPUT #14 | OUTPUT #16 | owl-driver-board-16-v1.0 | JLCJLCJLCJLC
In1.Cu: L2
In2.Cu: L3
